# Altium PCB Spektrop2_PCB_Combined_CMV4000_V1.PcbDoc (part 2 of 6) (continued)
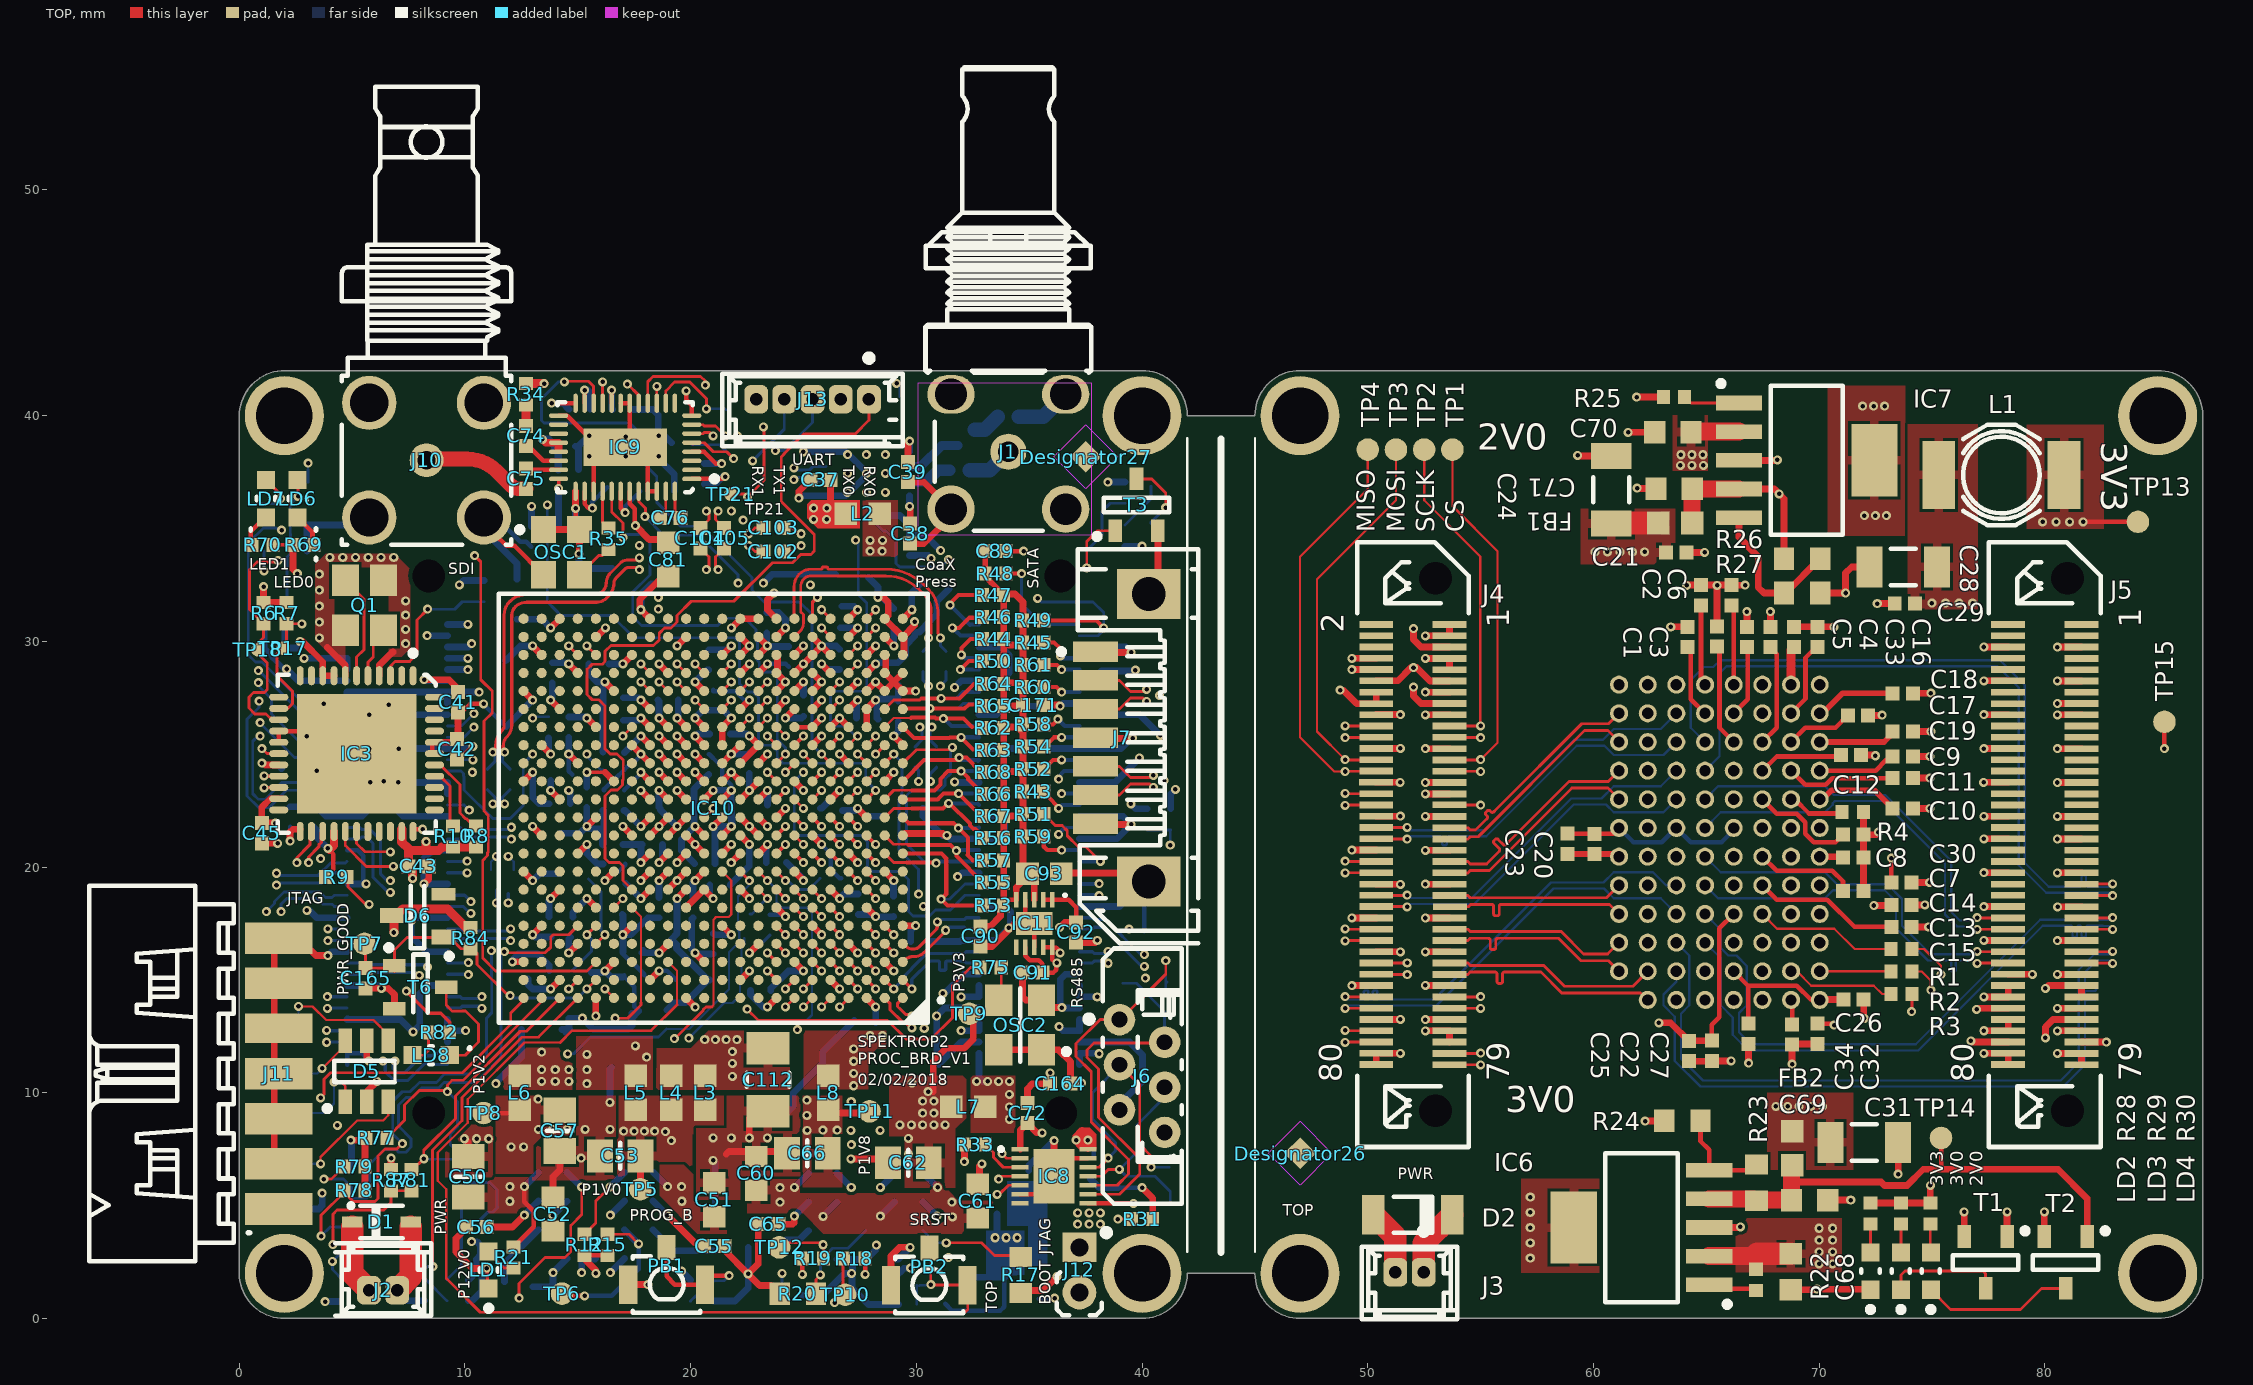
[diagram p0: TOP view]
## Footprints (in the part's own frame and the unit in brackets; to place one, negate y for a bottom-side part, rotate by r counter-clockwise, add the part's x,y. Pads: shape width x height; smd on the part's side, far side on the other; paste and mask are expansions set on the pad) (continued)
  rect 1.8x2.4 smd: 15(0,0)
  silkscreen extent -2.4,1.15 -2.3,1.25, body extent -1.5,-1.5 1.5,1.5, height 0.8
SON95P300X300X80-7N-R170X220 [mm] "SON, 0.95mm Pitch; 6 Pin, 3.00mm W X 3mm L X 0.80mm H body (w/Thermal Tab 1.7mm x 2.2mm)"
  rect 0.8x0.4 smd: 1(-1.5,0.95) 2(-1.5,0) 3(-1.5,-0.95) 4(1.5,-0.95) 5(1.5,0) 6(1.5,0.95)
  rect 1.7x2.2 smd: 7(0,0)
  silkscreen extent -1.67,-1.5 0.75,1.5, body extent -1.55,-1.55 1.55,1.55, height 0.8
SON127P600X500X80-9N-R350X410 [mm] "SON, 1.27mm pitch, 8 pin, 6.00mm W X 5.00mm L X 0.80mm H body (w/thermal tab  3.50 X 4.10 mm), IPC Medium Density"
  rect 1.05x0.45 smd: 1(-2.85,1.905) 2(-2.85,0.635) 3(-2.85,-0.635) 4(-2.85,-1.905) 5(2.85,-1.905) 6(2.85,-0.635) 7(2.85,0.635) 8(2.85,1.905)
  rect 3.5x4.1 smd: 9(0,0)
  silkscreen extent -3.97,-2.5 1.95,2.03, body extent -3,-2.5 3,2.5, height 0.8
SOT95P230X110-3N [mm] "SOT23, 3 pin, Pitch 0.95mm - 1.3mm W X 2.9mm L X 1.1mm H, IPC Medium Density"
  rect 1x0.6 smd: 1(-1.15,0.95) 2(-1.15,-0.95) 3(1.15,0)
  silkscreen extent -1.52,-1.45 0.33,1.88, body extent -1.08,-1.5 1.25,1.5, height 1.1
SOT95P237X112-3N [mm] "SOT, 0.95mm, pitch; 3 pin,1.30mm W X 2.92mm L X 1.12mm H body, IPC Medium Density"
  rect 1.05x0.6 smd: 1(-1.15,0.95) 2(-1.15,-0.95) 3(1.15,0)
  silkscreen extent -0.3,-1.45 0.3,1.45, body extent -1.25,-1.5 1.25,1.5, height 1.1
SOT95P240X130-3N [mm] "SOT23 3-Leads, Pitch 0.95mm - Body 1.3x2.9mm, IPC Medium Density"
  rect 1.05x0.65 smd: 1(-1.15,0.95) 3(1.15,0)
  rect 1.05x0.55 smd: 2(-1.15,-0.95)
  silkscreen extent -1.53,-1.33 0.3,1.92, body extent -1.25,-1.5 1.25,1.5, height 1.3
SOT95P280X110-6N [mm] "SOT, 0.95mm Pitch; 6 Pin, 1.60mm W X 2.90mm L X 1.10mm H Body, IPC Medium Density"
  rect 1.1x0.6 smd: 1(-1.35,0.95) 2(-1.35,0) 3(-1.35,-0.95) 4(1.35,-0.95) 5(1.35,0) 6(1.35,0.95)
  silkscreen extent -1.77,-1.25 0.48,1.87, body extent -1.4,-1.5 1.4,1.5, height 1.1
SOT127P700X180-6N [mm] "SOT223, 6-Leads, Body 6.6x7.3mm (max), Pitch 1.27mm, IPC Medium Density"
  rect 2.05x0.65 smd: 1(-3,2.54) 2(-3,1.27) 3(-3,0) 4(-3,-1.27) 5(-3,-2.54)
  rect 2.05x3.2 smd: 6(3,0)
  silkscreen extent -3.93,-3.3 1.6,3.52, body extent -3.68,-3.27 3.68,3.28, height 1.8
XTAL_TXC_7M [mm] "4 Pins, 2.5x3.2mm, SMD Sealing Crystal, 7M Serie"
  rect 1.2x1.4 smd: 1(-0.85,1.1) 2(-0.85,-1.1) 3(0.85,-1.1) 4(0.85,1.1)
  body extent -1.25,-1.6 1.25,1.6, height 0.8

## Part data
C1 C2 C3 C4 C5 C6 C7 C8 C9 C10 C11 C12 C13 C14 C15 C16 C17 C18 C19 C20 C21 C22 C23 C25 C26 C27 C29 C30 C32 C33 C34 C37 C55 C56 C64 C65 C72 C80 C82 C83 C86 C87 C88 C89 C90 C92 C94 C95 C96 C97 C98 C99 C100 C101 C102 C103 C104 C105 C107 C108 C135 C136 C151 C164 C166 C167 C171: library part CC0402_100NF_16V_10%_X7R, "Non-polarised capacitor", Case=0402, Manufacturer=GENERIC, Manufacturer1 ComponentHeight=0.55mm, Manufacturer1 Example=MURATA, Manufacturer1 Part Number=GRM155R71C104KA88D, Tolerance=±10%, Voltage=16V, Author="CERN DEM JLC", Component Type=Standard, HelpURL=\\cern.ch\dfs\Applications\Altium\Datasheets\CC0402_X7R_MURATA_GRM.pdf, Manufacturer Part Number=CC0402_100NF_16V_10%_X7R, Mounted=Yes, Part Description="SMD Multilayer Chip Ceramic Capacitor", Part Number=CC0402_100NF_16V_10%_X7R, Pin Count=2, Sense=No, SMD=Yes, Socket=No, Status="Not Recommended", TC=X7R
  C1 C2 C3 C4 C5 C6 C7 C8 C9 C10 C11 C12 C13 C14 C15 C16 C17 C18 C19 C20 C21 C22 C23 C25 C26 C27 C29 C30 C32 C33 C34 C37 C55 C56 C64 C65 C72 C80 C82 C83 C86 C87 C88 C89 C90 C94 C95 C96 C97 C98 C99 C100 C101 C102 C103 C104 C105 C164 C166 C167 C171: CreateDate=05-Dec-13, LatestRevisionDate=03-Dec-07
  C92 C107 C108 C135 C136 C151: CreateDate=12/5/2013, LatestRevisionDate=12/3/2007
C24 C28 C31: library part CC1206_22UF_10V_10%_X7R, "Non-polarised capacitor", Case=1206, Manufacturer=GENERIC, Manufacturer1 ComponentHeight=1.8mm, Manufacturer1 Example=MURATA, Manufacturer1 Part Number=GRM31CR71A226KE15L, Tolerance=±10%, Voltage=10V, Author="CERN DEM JLC", Component Type=Standard, CreateDate=08-Jun-10, HelpURL=\\cern.ch\dfs\Applications\Altium\Datasheets\CC1206_X7R_MURATA_GRM-HI-CAP.pdf, LatestRevisionDate=08-Jun-10, Manufacturer Part Number=CC1206_22UF_10V_10%_X7R, Mounted=Yes, Part Description="SMD Multilayer Chip Ceramic Capacitor", Part Number=CC1206_22UF_10V_10%_X7R, Pin Count=2, Sense=No, SMD=Yes, Socket=No, Status=Preferred, TC=X7R
C35 C36: library part CC0402_33NF_16V_10%_X7R, "Non-polarised capacitor", Case=0402, Manufacturer=GENERIC, Manufacturer1 ComponentHeight=0.55mm, Manufacturer1 Example=PHYCOMP, Manufacturer1 Part Number=223878715643, Tolerance=±10%, Voltage=16V, Author="CERN DEM JLC", Component Type=Standard, CreateDate=03-Dec-07, HelpURL=\\cern.ch\dfs\Applications\Altium\Datasheets\CC0402_X7R_PHYCOMP.pdf, LatestRevisionDate=03-Dec-07, Manufacturer Part Number=CC0402_33NF_16V_10%_X7R, Mounted=Yes, Part Description="SMD Multilayer Chip Ceramic Capacitor", Part Number=CC0402_33NF_16V_10%_X7R, Pin Count=2, Sense=No, SMD=Yes, Socket=No, Status="Not Recommended", TC=X7R
C38 C39 C40 C77 C78: library part CC0402_10NF_16V_10%_X7R, "Non-polarised capacitor", Case=0402, Manufacturer=GENERIC, Manufacturer1 ComponentHeight=0.55mm, Manufacturer1 Example=PHYCOMP, Manufacturer1 Part Number=223878715636, Tolerance=±10%, Voltage=16V, Author="CERN DEM JLC", Component Type=Standard, CreateDate=03-Dec-07, HelpURL=\\cern.ch\dfs\Applications\Altium\Datasheets\CC0402_X7R_PHYCOMP.pdf, LatestRevisionDate=03-Dec-07, Manufacturer Part Number=CC0402_10NF_16V_10%_X7R, Mounted=Yes, Part Description="SMD Multilayer Chip Ceramic Capacitor", Part Number=CC0402_10NF_16V_10%_X7R, Pin Count=2, Sense=No, SMD=Yes, Socket=No, Status="Not Recommended", TC=X7R
C41 C42 C43 C44 C45 C46 C47 C48 C49 C73 C79 C91 C168 C170: library part CC0402_1UF_16V_10%_X5R, "Non-polarised capacitor", Case=0402, Manufacturer=GENERIC, Manufacturer1 ComponentHeight=0.55mm, Manufacturer1 Example=TDK, Manufacturer1 Part Number=C1005X5R1C105KT, Tolerance=±10%, Voltage=16V, Author="CERN DEM JLC", Component Type=Standard, HelpURL=\\cern.ch\dfs\Applications\Altium\Datasheets\CC0402_X5R_TDK_C.pdf, Manufacturer Part Number=CC0402_1UF_16V_10%_X5R, Mounted=Yes, Part Description="SMD Multilayer Chip Ceramic Capacitor", Part Number=CC0402_1UF_16V_10%_X5R, Pin Count=2, Sense=No, SMD=Yes, Socket=No, Status=Preferred, TC=X5R
  C41 C42 C43 C44 C45 C46 C47 C48 C49 C73 C79 C168 C170: CreateDate=25-Oct-12, LatestRevisionDate=25-Oct-12
  C91: CreateDate=2012-10-25, LatestRevisionDate=2012-10-25
C50 C59: library part CC0805_10UF_25V_10%_X5R, "Non-polarised capacitor", Case=0805, Manufacturer=GENERIC, Manufacturer1 ComponentHeight=0.95mm, Manufacturer1 Example=MURATA, Manufacturer1 Part Number=GRM219R61E106KA12D, Tolerance=±10%, Voltage=25V, Author="CERN DEM JLC", Component Type=Standard, CreateDate=2012-10-25, HelpURL=\\cern.ch\dfs\Applications\Altium\Datasheets\CC0805_X5R_MURATA_GRM.pdf, LatestRevisionDate=2016-09-06, Manufacturer Part Number=CC0805_10UF_25V_10%_X5R, Mounted=Yes, Part Description="SMD Multilayer Chip Ceramic Capacitor", Part Number=CC0805_10UF_25V_10%_X5R, Pin Count=2, Sense=No, SMD=Yes, Socket=No, Status=Preferred, TC=X5R
C51 C52 C60 C61: library part CC0603_4.7UF_16V_10%_X5R, "Non-polarised capacitor", Case=0603, Manufacturer=GENERIC, Manufacturer1 ComponentHeight=0.95mm, Manufacturer1 Example="TAIYO YUDEN", Manufacturer1 Part Number=EMK107ABJ475KA-T, Tolerance=±10%, Voltage=16V, Author="CERN DEM JLC", Component Type=Standard, CreateDate=16-Dec-13, HelpURL=\\cern.ch\dfs\Applications\Altium\Datasheets\CC0603_X7R_TAIYO-YUDEN_HIGH-VALUE.pdf, LatestRevisionDate=16-Sep-14, Manufacturer Part Number=CC0603_4.7UF_16V_10%_X5R, Mounted=Yes, Part Description="SMD Multilayer Chip Ceramic Capacitor", Part Number=CC0603_4.7UF_16V_10%_X5R, Pin Count=2, Sense=No, SMD=Yes, Socket=No, Status=None, TC=X5R
C53 C57 C62 C66 C114 C117 C120 C137 C152: library part CC0805_47UF_6.3V_20%_X5R, "Non-polarised capacitor", Case=0805, Manufacturer=GENERIC, Manufacturer1 ComponentHeight=1.4mm, Manufacturer1 Example=KEMET, Manufacturer1 Part Number=C0805C476M9PACTU, Tolerance=±20%, Voltage=6.3V, Author="CERN DEM JLC", Component Type=Standard, HelpURL=\\cern.ch\dfs\Applications\Altium\Datasheets\CC0805_X5R_KEMET.pdf, Manufacturer Part Number=CC0805_47UF_6.3V_20%_X5R, Mounted=Yes, Part Description="SMD Multilayer Chip Ceramic Capacitor", Part Number=CC0805_47UF_6.3V_20%_X5R, Pin Count=2, Sense=No, SMD=Yes, Socket=No, Status=Preferred, TC=X5R
  C53 C57 C62 C66: CreateDate=16-Oct-12, LatestRevisionDate=16-Oct-12
  C114 C117 C120 C137 C152: CreateDate=10/16/2012, LatestRevisionDate=10/16/2012
C54 C58 C63 C67: library part CC0603_22UF_6.3V_20%_X5R, "Non-polarised capacitor", Case=0603, Manufacturer=GENERIC, Manufacturer1 ComponentHeight=1mm, Manufacturer1 Example=TDK, Manufacturer1 Part Number=C1608X5R0J226M080AC, Tolerance=±20%, Voltage=6.3V, Author="CERN DEM JLC", Component Type=Standard, CreateDate=16-Dec-13, HelpURL=\\cern.ch\dfs\Applications\Altium\Datasheets\CC0603_X5R_TDK_C.pdf, LatestRevisionDate=13-Sep-16, Manufacturer Part Number=CC0603_22UF_6.3V_20%_X5R, Mounted=Yes, Part Description="SMD Multilayer Chip Ceramic Capacitor", Part Number=CC0603_22UF_6.3V_20%_X5R, Pin Count=2, Sense=No, SMD=Yes, Socket=No, Status=None, TC=X5R
C68 C69 C70 C71: library part CC0603_1UF_16V_10%_X7R, "Non-polarised capacitor", Case=0603, Manufacturer=GENERIC, Manufacturer1 ComponentHeight=0.9mm, Manufacturer1 Example="YAGEO PHYCOMP", Manufacturer1 Part Number=223878615663, Manufacturer Part Number=CC0603_1uF_16V_10%_X7R, Tolerance=±10%, Voltage=16V, Author="CERN DEM JLC", Component Type=Standard, CreateDate=03-Dec-07, HelpURL=\\cern.ch\dfs\Applications\Altium\Datasheets\CC0603_X7R_PHYCOMP.pdf, LatestRevisionDate=17-Apr-15, Mounted=Yes, Part Description="SMD Multilayer Chip Ceramic Capacitor", Part Number=CC0603_1UF_16V_10%_X7R, Pin Count=2, Sense=No, SMD=Yes, Socket=No, Status=None, TC=X7R
C74 C75 C106 C110 C111 C113 C115 C116 C118 C119 C134 C138 C139 C141 C144 C146 C153 C157 C160 C165: library part CC0402_4.7UF_6.3V_20%_X5R, "Non-polarised capacitor", Case=0402, Manufacturer=GENERIC, Manufacturer1 ComponentHeight=0.65mm, Manufacturer1 Example=TDK, Manufacturer1 Part Number=C1005X5R0J475M050BC, Tolerance=±20%, Voltage=6.3V, Author="CERN DEM JLC", Component Type=Standard, HelpURL=\\cern.ch\dfs\Applications\Altium\Datasheets\CC0402_X5R_TDK_C.pdf, Manufacturer Part Number=CC0402_4.7UF_6.3V_20%_X5R, Mounted=Yes, Part Description="SMD Multilayer Chip Ceramic Capacitor", Part Number=CC0402_4.7UF_6.3V_20%_X5R, Pin Count=2, Sense=No, SMD=Yes, Socket=No, Status=Preferred, TC=X5R
  C74 C75: CreateDate=03-Mar-15, LatestRevisionDate=03-Mar-15
  C106 C110 C111 C113 C115 C116 C118 C119 C134 C138 C139 C141 C144 C146 C153 C157 C160 C165: CreateDate=3/3/2015, LatestRevisionDate=3/3/2015
C76 C121 C122 C123 C124 C125 C126 C127 C128 C129 C130 C131 C132 C133 C142 C145 C147 C148 C149 C150 C154 C155 C158 C161 C162: library part CC0402_470NF_16V_10%_X5R, "Non-polarised capacitor", Case=0402, Manufacturer=GENERIC, Manufacturer1 ComponentHeight=0.55mm, Manufacturer1 Example=TDK, Manufacturer1 Part Number=C1005X5R1C105KT, Tolerance=±10%, Voltage=16V, Author="CERN DEM JLC", Component Type=Standard, HelpURL=\\cern.ch\dfs\Applications\Altium\Datasheets\CC0402_X5R_TDK_C.pdf, Manufacturer Part Number=CC0402_470NF_16V_10%_X5R, Mounted=Yes, Part Description="SMD Multilayer Chip Ceramic Capacitor", Part Number=CC0402_470NF_16V_10%_X5R, Pin Count=2, Sense=No, SMD=Yes, Socket=No, Status=Preferred, TC=X5R
  C76: CreateDate=25-Oct-12, LatestRevisionDate=25-Oct-12
  C121 C122 C123 C124 C125 C126 C127 C128 C129 C130 C131 C132 C133 C142 C145 C147 C148 C149 C150 C154 C155 C158 C161 C162: CreateDate=10/25/2012, LatestRevisionDate=10/25/2012
C81 C84 C85 C93 C163: library part CC0603_10UF_10V_10%_X5R, "Non-polarised capacitor", Case=0603, Manufacturer=GENERIC, Manufacturer1 ComponentHeight=0.8mm, Manufacturer1 Example=MURATA, Manufacturer1 Part Number=GRM188R61A106KE69D, Tolerance=±10%, Voltage=10V, Author="CERN DEM JLC", Component Type=Standard, HelpURL=\\cern.ch\dfs\Applications\Altium\Datasheets\CC0603_MURATA_GRM188R61A106KE69D.pdf, Manufacturer Part Number=CC0603_10UF_10V_10%_X5R, Mounted=Yes, Part Description="SMD Multilayer Chip Ceramic Capacitor", Part Number=CC0603_10UF_10V_10%_X5R, Pin Count=2, Sense=No, SMD=Yes, Socket=No, Status=None, TC=X5R
  C81 C84 C85 C93: CreateDate=31-Jan-17, LatestRevisionDate=31-Jan-17
  C163: CreateDate=1/31/2017, LatestRevisionDate=1/31/2017
C109: library part CTE3528-21_330UF_2.5V_20%_LESR0015_KEMET_T520, "Polarised capacitor", Case=B, Manufacturer=KEMET, Manufacturer Part Number=T520B337M2R5ATE015, Tolerance=±20%, Voltage=2.5V, Author="CERN DEM JLC", ComponentHeight=2.1mm, Component Type=Standard, CreateDate=07-Mar-12, HelpURL=\\cern.ch\dfs\Applications\Altium\Datasheets\CTE-LESR_KEMET_T520.pdf, LatestRevisionDate=01-Sep-14, Mounted=Yes, Part Description="Low ESR 0R015 Tantalum Chip Capacitor", Part Number=CTE3528-21_330UF_2.5V_20%_LESR0015_KEMET_T520, Pin Count=2, Sense=No, SMD=Yes, Socket=No, Status=None
C112 C140 C143 C156 C159: library part CC1206_100UF_10V_20%_X5R, "Non-polarised capacitor", Case=1206, Manufacturer=GENERIC, Manufacturer1 ComponentHeight=1.9mm, Manufacturer1 Example=TDK, Manufacturer1 Part Number=C3216X5R1A107M160AC, Tolerance=±20%, Voltage=10V, Author="CERN DEM MR", Component Type=Standard, CreateDate=3/14/2017, HelpURL=\\cern.ch\dfs\Applications\Altium\Datasheets\CC1206_X5R_TDK_C.pdf, LatestRevisionDate=3/14/2017, Manufacturer Part Number=CC1206_100UF_10V_20%_X5R, Mounted=Yes, Part Description="SMD Multilayer Chip Ceramic Capacitor", Part Number=CC1206_100UF_10V_20%_X5R, Pin Count=2, Sense=No, SMD=Yes, Socket=No, Status=None, TC=X5R
C169: library part CC0402_10UF_6.3V_20%_X5R, "Non-polarised capacitor", Case=0402, Manufacturer=GENERIC, Manufacturer1 ComponentHeight=0.70mm, Manufacturer1 Example=TDK, Manufacturer1 Part Number=C1005X5R0J106M050BC, Tolerance=±10%, Voltage=6.3V, Author="CERN DEM JLC", Component Type=Standard, CreateDate=07-Jan-15, HelpURL=\\cern.ch\dfs\Applications\Altium\Datasheets\CC0402_X5R_TDK_C.pdf, LatestRevisionDate=07-Jan-15, Manufacturer Part Number=CC0402_10UF_6.3V_20%_X5R, Mounted=Yes, Part Description="SMD Multilayer Chip Ceramic Capacitor", Part Number=CC0402_10UF_6.3V_20%_X5R, Pin Count=2, Sense=No, SMD=Yes, Socket=No, Status=Preferred, TC=X5R
D1: "Unidirectional ESD Protection for Transient Voltage Suppressor Diode", Case=SOD323, Manufacturer=BOURNS, Power=350W, Voltage=12V, Author="CERN DEM BC", Bonding=No, ComponentHeight=1.14mm, Component Type=Standard, CreateDate=26-Jul-17, Device=CDSOD323-T12, HelpURL=\\cern.ch\dfs\Applications\Altium\Datasheets\CDSOD323-T12.pdf, LatestRevisionDate=26-Jul-17, Manufacturer Part Number=CDSOD323-T12, Mounted=Yes, PackageDescription="SOD-323 Diode; 1.75mm W X 1.30mm L X 1.14mm H Body, IPC Medium Density", Part Description="Unidirectional ESD Protection for Transient Voltage Suppressor Diode", Part Number=CDSOD323-T12, Pin Count=2, PressFit=No, Sense=No, SMD=Yes, Socket=No
D2: "Zener Diode", Case=SOD-80C, Manufacturer="NXP SEMICONDUCTORS", Power=500mW, Voltage=3V3, Author="CERN DEM JLC", Bonding=No, ComponentHeight=1.6mm, Component Type=Standard, CreateDate=06-May-08, Device=BZV55-B3V3, HelpURL=\\cern.ch\dfs\Applications\Altium\Datasheets\BZV55.pdf, LatestRevisionDate=06-May-08, Manufacturer Part Number=BZV55-B3V3, Mounted=Yes, PackageDescription="SOD80C, MELF Diode, 2-Leads, Body 3.5x1.5mm, IPC Medium Density", Part Description="Voltage Regulator Diode", Part Number=BZV55-B3V3, Pin Count=2, PressFit=No, Sense=No, SMD=Yes, Socket=No
D3 D4: "Asymmetrical TVS Diode for Extended Common-Mode RS-485", Case=SOT-23, Manufacturer=SEMTECH, Power=400W, Voltage=12V/-7V, Author="CERN DEM JLC", Bonding=No, ComponentHeight=1.12mm, Component Type=Standard, CreateDate=23-Apr-12, Device=SM712, HelpURL=\\cern.ch\dfs\Applications\Altium\Datasheets\SM712.pdf, LatestRevisionDate=23-Apr-12, Manufacturer Part Number=SM712, Mounted=Yes, PackageDescription="SOT, 0.95mm, pitch; 3 pin,1.30mm W X 2.92mm L X 1.12mm H body, IPC Medium Density", Part Description="Asymmetrical TVS Diode for Extended Common-Mode RS-485", Part Number=SM712, Pin Count=3, PressFit=No, Sense=No, SMD=Yes, Socket=No, Status=Obsolete
D5: "Quad Common Anode ESD Protection Diodes (30kV)", Case=SOT23-6, Manufacturer="NXP SEMICONDUCTORS", Power=200W, Voltage=3V3, Author="CERN DEM MR", Bonding=No, ComponentHeight=1.1mm, Component Type=Standard, CreateDate=08-Feb-16, Device=PESD3V3S4UD, HelpURL=\\cern.ch\dfs\Applications\Altium\Datasheets\PESD3V3S4UD.pdf, LatestRevisionDate=08-Feb-16, Manufacturer Part Number=PESD3V3S4UD, Mounted=Yes, PackageDescription="SOT, 0.95mm Pitch; 6 Pin, 1.60mm W X 2.90mm L X 1.10mm H Body, IPC Medium Density", Part Description="Quad Common Anode ESD Protection Diodes (30kV)", Part Number=PESD3V3S4UD, Pin Count=6, PressFit=No, Sense=No, SMD=Yes, Socket=No
D6: "Diode Schottky  Anode Pin 1 Cathode Pin 3 (Pas de pin 2)", Case=SOT23-3, Manufacturer="FAIRCHILD SEMICONDUCTOR", Power=200mA, Voltage=30V, Author="CERN DEM JLC", Bonding=No, ComponentHeight=1.30mm, Component Type=Standard, CreateDate=9/17/2009, Device=BAT54, HelpURL=\\cern.ch\dfs\Applications\Altium\Datasheets\BAT54.pdf, LatestRevisionDate=5/27/2010, Manufacturer Part Number=BAT54, Mounted=Yes, PackageDescription="SOT23 3-Leads, Pitch 0.95mm - Body 1.3x2.9mm, IPC Medium Density", Part Description="Single Small Signal Schottky Diode", Part Number=BAT54, Pin Count=3, PressFit=No, Sense=No, SMD=Yes, Socket=No
Designator25 Designator26 Designator27 Designator28: library part FIDUCIAL_TARGET_S100-200
FB1 FB2 L2 L3 L4 L5 L6 L7 L8 L9 L10 L11 L12: library part IND0603_MURATA_BLM18SG121TN1D, "Inductor", Case=0603, Manufacturer=MURATA, Manufacturer Part Number=BLM18SG121TN1D, Power=3A, Resistance=0.025R, Tolerance=±25%, Author="CERN DEM JLC", ComponentHeight=0.65mm, Component Type=Standard, HelpURL=\\cern.ch\dfs\Applications\Altium\Datasheets\IND0603_MURATA_BLM18S.pdf, Mounted=Yes, Part Description="SMD EMIFIL Suppression Chip Ferrite Bead", Part Number=IND0603_MURATA_BLM18SG121TN1D, Pin Count=2, Sense=No, SMD=Yes, Socket=No, Status=None
  FB1 FB2: CreateDate=23-Jul-14, LatestRevisionDate=23-Jul-14
  L2 L3 L4 L5 L6 L7 L8: CreateDate=23.07.2014, LatestRevisionDate=23.07.2014
  L9 L10 L11: ClassName=Artix, CreateDate=23.07.2014, LatestRevisionDate=23.07.2014
  L12: CreateDate=7/23/2014, LatestRevisionDate=7/23/2014
IC1: "Megapixel Machine Vision CMOS Image Sensor", Manufacturer=CMOSIS, Author="CERN DEM JLC", Bonding=No, ComponentHeight=3.58mm, Component Type=Standard, CreateDate=17-Sep-12, Device=CMV4000-2E5C1PP, HelpURL=\\cern.ch\dfs\Applications\Altium\Datasheets\CMV4000-2E5C1PP.pdf, LatestRevisionDate=17-Sep-12, Manufacturer Part Number=CMV4000-2E5C1PP, Mounted=Yes, PackageDescription="Megapixel Machine Vision CMOS Image Sensor", Part Description="Megapixel Machine Vision CMOS Image Sensor", Part Number=CMV4000-2E5C1PP, Pin Count=95, PressFit=No, Sense=No, SMD=No, Socket=No
IC2: "6.25Gbps Asymmetric Coax Driver", Case=QFN16, Manufacturer="MICROCHIP TECHNOLOGY", Author="CERN DEM JLC", Bonding=No, ComponentHeight=0.95mm, Component Type=Standard, CreateDate=21-Nov-17, Device=EQCO62T20.3, HelpURL=\\cern.ch\dfs\Applications\Altium\Datasheets\EQCO62T20.3.pdf, LatestRevisionDate=21-Nov-17, Manufacturer Part Number=EQCO62T20.3, Mounted=Yes, PackageDescription="QFN, 0.65mm Pitch, Square; 16 Pin, 4.00mm L X 4.00mm W X 0.95mm H Body (w/Thermal tab 2.15 X 2.15mm), IPC Medium Density", Part Description="6.25Gbps Asymmetric Coax Driver", Part Number=EQCO62T20.3, Pin Count=17, PressFit=No, Sense=No, SMD=Yes, Socket=No
IC3: "Low-Jitter, 10 or 4-Output, Any-Frequency, Any-Output Clock Generator", Case=QFN44, Manufacturer="SILICON LABS", Author="CERN DEM JLC", Bonding=No, ComponentHeight=0.9mm, Component Type=Standard, CreateDate=14-Dec-17, Device=SI5340B-D-GM, HelpURL=\\cern.ch\dfs\Applications\Altium\Datasheets\SI5340B-D-GM.pdf, LatestRevisionDate=14-Dec-17, Manufacturer Part Number=SI5340B-D-GM, Mounted=Yes, PackageDescription="QFN,0.50mm Pitch, Square; 44 Pin, 7.00mm L X 7.00mm W X 0.90mm H Body (W/Thermal Tab 5.3mm X 5.3mm), IPC Medium Density", Part Description="Low-Jitter, 10 or 4-Output, Any-Frequency, Any-Output Clock Generator", Part Number=SI5340B-D-GM, Pin Count=45, PressFit=No, Sense=No, SMD=Yes, Socket=No
IC4 IC5: "3.6V-20V To 1.5V-12V, Dual 2A or Single 4A  Ultrathin Step-Down DC/DC µModule Regulator", Case=BGA25, Manufacturer="LINEAR TECHNOLOGY", Author="CERN DEM MR", Bonding=No, ComponentHeight=2.62mm, Component Type=Standard, CreateDate=29-Sep-17, Device=LTM4622AEY#PBF, HelpURL=\\cern.ch\dfs\Applications\Altium\Datasheets\LTM4622AEY#PBF.pdf, LatestRevisionDate=29-Sep-17, Manufacturer Part Number=LTM4622AEY#PBF, Mounted=Yes, PackageDescription="BGA, 1.27mm Pitch, Square; 25 Pin, 5 Columns X 5 Rows, 6.25mm X 6.25mm X 2.62mm H", Part Description="3.6V-20V To 1.5V-12V, Dual 2A or Single 4A  Ultrathin Step-Down DC/DC µModule Regulator", Part Number=LTM4622AEY#PBF, Pin Count=25, PressFit=No, Sense=No, SMD=Yes, Socket=No
IC6 IC7: "0.8V to 5.0V, 1A Low Voltage, Low Quiescent Current, Adjustable Positive LDO Regulator", Case=SOT223, Manufacturer="MICROCHIP TECHNOLOGY", Author="CERN DEM JLC", Bonding=No, ComponentHeight=1.8mm, Component Type=Standard, CreateDate=03-Oct-12, Device=MCP1826T-ADJE/DC, HelpURL=\\cern.ch\dfs\Applications\Altium\Datasheets\MCP1826T-ADJE-DC.pdf, LatestRevisionDate=03-Oct-12, Manufacturer Part Number=MCP1826T-ADJE/DC, Mounted=Yes, PackageDescription="SOT223, 6-Leads, Body 6.6x7.3mm (max), Pitch 1.27mm, IPC Medium Density", Part Description="0.8V to 5.0V, 1A Low Voltage, Low Quiescent Current, Adjustable Positive LDO Regulator", Part Number=MCP1826T-ADJE/DC, Pin Count=6, PressFit=No, Sense=No, SMD=Yes, Socket=No
IC8: "16Mbps Full Duplex RS-485 Transceivers with Low-Voltage Logic Interface", Case=SON14, Manufacturer=MAXIM, Author="CERN DEM JLC", Bonding=No, ComponentHeight=0.8mm, Component Type=Standard, CreateDate=18-Dec-17, Device=MAX13433EETD+, HelpURL=\\cern.ch\dfs\Applications\Altium\Datasheets\MAX13433EETD+.pdf, LatestRevisionDate=18-Dec-17, Manufacturer Part Number=MAX13433EETD+, Mounted=Yes, PackageDescription="SON, 0.40mm Pitch; 14 Pin, 3.00mm W X 3.00mm L X 0.80mm H Body (w/Thermal Tab1.8mm x 2.4mm)", Part Description="16Mbps Full Duplex RS-485 Transceivers with Low-Voltage Logic Interface", Part Number=MAX13433EETD+, Pin Count=15, PressFit=No, Sense=No, SMD=Yes, Socket=No
IC9: "12G UHD-SDI Re-timing Cable Driver", Case=QFN40, Manufacturer=SEMTECH, Author="CERN DEM JLC", Bonding=No, ComponentHeight=1mm, Component Type=Standard, CreateDate=21-Nov-17, Device=GS12281-INE3, HelpURL=\\cern.ch\dfs\Applications\Altium\Datasheets\GS12281-INE3.pdf, LatestRevisionDate=21-Nov-17, Manufacturer Part Number=GS12281-INE3, Mounted=Yes, PackageDescription="QFN, 0.40mm Pitch, Rect., Pin 1 on Short Dimension; 40 Pin, 4.00mm L X 6.00mm W X 1.00mm H Body (w/Thermal Tab 3.70 X 1.68 mm), IPC Medium Density", Part Description="12G UHD-SDI Re-timing Cable Driver", Part Number=GS12281-INE3, Pin Count=41, PressFit=No, Sense=No, SMD=Yes, Socket=No
IC10: "667 MHz Zynq™-7000 AP SoC, 130 PS I/O, 150 FPGA I/O, 484-Ball BGA, Speed Grade 2, Extended Grade, Pb-Free", Case=BGA484, Manufacturer=XILINX, Author="CERN DEM BC", Bonding=No, ComponentHeight=1.6mm, ComponentLink1Description=Package/Pinout, ComponentLink1URL=\\cern.ch\dfs\Applications\Altium\Datasheets\XC7Z015-2CLG485E_Package-Pinout.pdf, Component Type=Standard, CreateDate=7/21/2015, Device=XC7Z015-2CLG485E, HelpURL=\\cern.ch\dfs\Applications\Altium\Datasheets\XC7Z015-2CLG485E.pdf, LatestRevisionDate=7/21/2015, Manufacturer Part Number=XC7Z015-2CLG485E, Mounted=Yes, PackageDescription="BGA, 0.80mm Pitch, Square; 484 Pin, 22 Columns X 22 Rows, Body 19.00mm X 19.00mm X 1.60mm H, IPC Medium Density", Part Description="667 MHz Zynq™-7000 AP SoC, 130 PS I/O, 150 FPGA I/O, 484-Ball BGA, Speed Grade 2, Extended Grade, Pb-Free", Part Number=XC7Z015-2CLG485E, Pin Count=484, PressFit=No, Sense=No, SMD=Yes, Socket=No
IC11: "2-A Peak Sink / Source DDR Termination Regulator With VTTREF Buffered Reference for DDR2, DDR3 and DDR3L", Case=SON10, Manufacturer="TEXAS INSTRUMENTS", Author="CERN DEM JLC", Bonding=No, ComponentHeight=0.8mm, Component Type=Standard, CreateDate=22-Jan-15, Device=TPS51206DSQT, HelpURL=\\cern.ch\dfs\Applications\Altium\Datasheets\TPS51206DSQT.pdf, LatestRevisionDate=30-Mar-17, Manufacturer Part Number=TPS51206DSQT, Mounted=Yes, PackageDescription="SON, 0.40mm Pitch; 10 Pin, 2.00mm W X 2.00mm L X 0.80mm H Body, (w/thermal tab 1.00 X 1.60 mm), IPC Medium Density", Part Description="2A Peak Sink / Source DDR Termination Regulator With VTTREF Buffered Reference for DDR2, DDR3 and DDR3L", Part Number=TPS51206DSQT, Pin Count=11, PressFit=No, Sense=No, SMD=Yes, Socket=No, Status="Not Recommended"
IC12: "128 Mbit (16 Mbyte), 3.0 V Quad SPI FL-L  NOR Flash Memory", Case=SON8, Manufacturer=CYPRESS, Author="CERN DEM MR", Bonding=No, ComponentHeight=0.8mm, Component Type=Standard, CreateDate=07-Aug-17, Device=S25FL128LAGNFV01, HelpURL=\\cern.ch\dfs\Applications\Altium\Datasheets\S25FL128LAGNFV01.pdf, LatestRevisionDate=07-Aug-17, Manufacturer Part Number=S25FL128LAGNFV01, Mounted=Yes, PackageDescription="SON, 1.27mm pitch, 8 pin, 6.00mm W X 5.00mm L X 0.80mm H body (w/thermal tab  3.50 X 4.10 mm), IPC Medium Density", Part Description="128 Mbit (16 Mbyte), 3.0 V Quad SPI FL-L  NOR Flash Memory", Part Number=S25FL128LAGNFV01, Pin Count=9, PressFit=No, Sense=No, SMD=Yes, Socket=No
IC13: "1A Low Dropout CMOS Linear Regulators Stable with Ceramic Output Capacitors", Case=SON6, Manufacturer="TEXAS INSTRUMENTS", Author="CERN DEM MR", Bonding=No, ComponentHeight=0.8mm, Component Type=Standard, CreateDate=30-Jun-17, Device=LP38693SDX-5.0/NOPB, HelpURL=\\cern.ch\dfs\Applications\Altium\Datasheets\LP38693SDX-5.0-NOPB.pdf, LatestRevisionDate=30-Jun-17, Manufacturer Part Number=LP38693SDX-5.0/NOPB, Mounted=Yes, PackageDescription="SON, 0.95mm Pitch; 6 Pin, 3.00mm W X 3mm L X 0.80mm H body (w/Thermal Tab 1.7mm x 2.2mm)", Part Description="5V, 1A Low Dropout CMOS Linear Regulators Stable With Ceramic Output Capacitors", Part Number=LP38693SDX-5.0/NOPB, Pin Count=7, PressFit=No, Sense=No, SMD=Yes, Socket=No
J1: library part AMPHENOL_282139-75, Manufacturer=AMPHENOL, Manufacturer Part Number=282139-75, Author="CERN DEM JLC", ComponentHeight=7.4mm, Component Type=Standard, CreateDate=16-Nov-17, Family=75R, HelpURL=\\cern.ch\dfs\Applications\Altium\Datasheets\AMPHENOL_282139-75.pdf, LatestRevisionDate=16-Nov-17, Mounted=Yes, Part Description="75 Ohm 1.0/2.3 Right Angle Through Hole PCB Jack", Part Number=AMPHENOL_282139-75, Pin Count=2, PressFit=No, Sense=No, SMD=No, Socket=No, Status=None
J2 J3: library part MOLEX_53047-0210, "Connector 2 Male", Manufacturer=MOLEX, Manufacturer Part Number=53047-0210, Author="CERN DEM JLC", ComponentHeight=4.2mm, Component Type=Standard, CreateDate=20-Mar-13, Family=PicoBlade, HelpURL=\\cern.ch\dfs\Applications\Altium\Datasheets\MOLEX_53047-0210.pdf, LatestRevisionDate=20-Mar-13, Mounted=Yes, Part Description="1.25mm Pitch PicoBlade™ Wire-to-Board 2 Circuits Vertical Header with Friction Lock", Part Number=MOLEX_53047-0210, Pin Count=2, PressFit=No, Sense=No, SMD=No, Socket=No, Status=None
J4 J5: library part SAMTEC_ERM5-040-05.0-L-DV-K, "Connector 80 Male", Manufacturer=SAMTEC, Manufacturer Part Number=ERM5-040-05.0-L-DV-K, Author="CERN DEM MR", ComponentHeight=8.94mm, Component Type=Standard, CreateDate=24-Feb-16, Family="Header 80", HelpURL=\\cern.ch\dfs\Applications\Altium\Datasheets\SAMTEC_ERM5-040-05.0-L-DV-K.pdf, LatestRevisionDate=24-Feb-16, Mounted=Yes, Part Description="80 Contacts, Pitch 0.5mm, Edge Rate™ Rugged High Speed Straight Header Strip, Lead Style 5.0", Part Number=SAMTEC_ERM5-040-05.0-L-DV-K, Pin Count=80, PressFit=No, Sense=No, SMD=Yes, Socket=No, Status=None